# Allegro board 1140022-KU060_PCIE_FIBER_BOARD_V001_pcb166_20240120_1835_pcb.brd (continued)
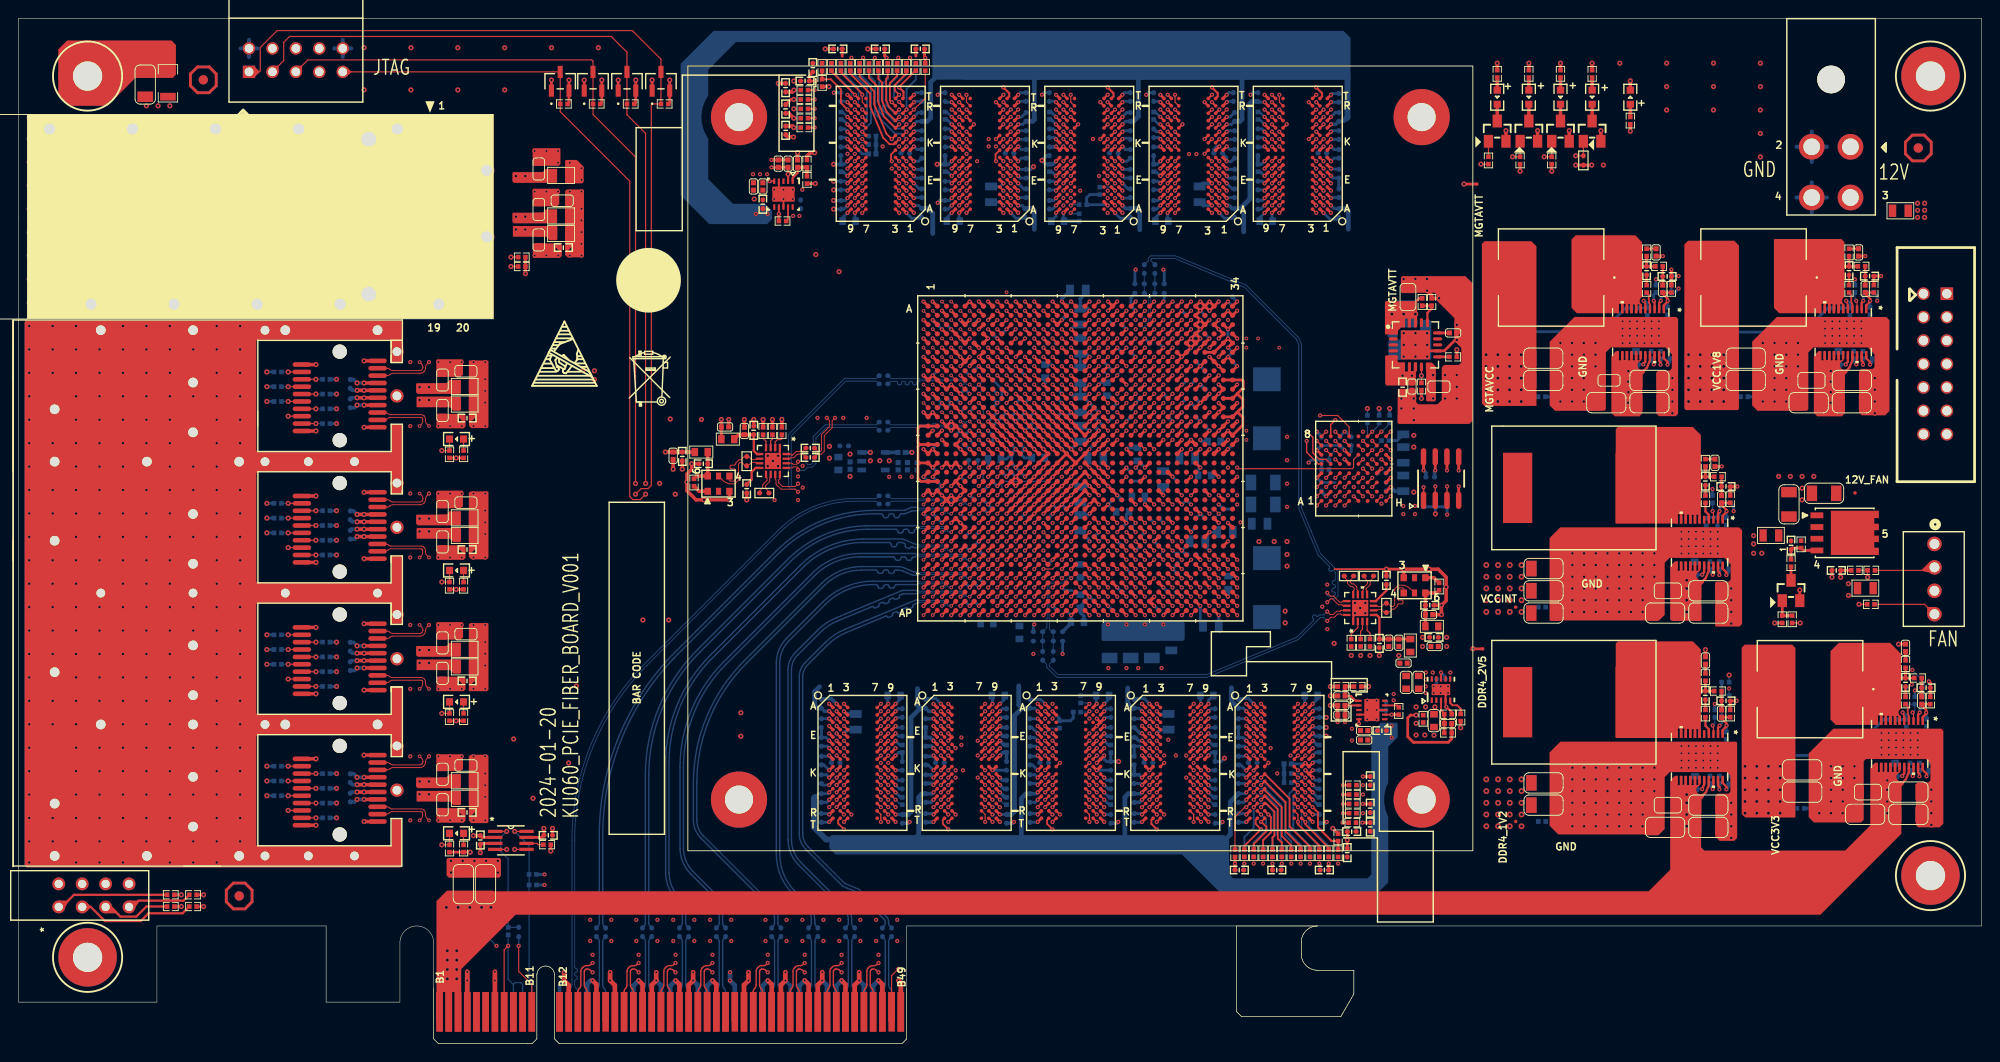
[diagram p0: board, top side]
## Routing (per net, layer and track width the routed paths; a pad name or vN(x,y) marks a point on that pad's centre or on a via; arc(x,y) is an arc through that point) (continued)
  ART10 w0.155: 140.53,27.64 141.67,27.64 142.31,27 v1(143.58,27)
CHA_FPGA_DDR4_C1_CK_N: length 113.8
  TOP w0.145: U5.K8 v1(128.2,28.83) ; v1(105.59,28.83) U4.K8 ; U7.K8 v1(139.5,28.83) ; U1.AL17 v1(115.11,49.45) ; U6.K8 v1(116.89,28.83) ; U3.K8 v1(94.29,28.83)
  ART05 w0.14: v1(115.11,49.45) 115.44,49.12 115.44,48.92 114.53,48 114.53,42.81 110.73,39 92.69,39 92.35,38.67 92.35,37.73 92.71,37.37 92.71,36.81 92.57,36.67 91.59,36.67 91.26,36.34 91.26,35.51 91.59,35.18 92.57,35.18 92.71,35.04 92.71,34.48 92.57,34.34 91.57,34.34 91.24,34.01 91.24,33.18 91.57,32.85 92.57,32.85 92.71,32.71 92.71,32.15 92.57,32.01 91.57,32.01 91.24,31.68 91.24,30.85 91.57,30.52 92.57,30.52 92.71,30.38 92.71,29.82 92.57,29.68 91.57,29.68 91.24,29.35 91.24,28.55 91.64,28.15 92.86,28.15 93.14,28.43 93.65,28.43 94.05,28.83 v1(94.29,28.83)
  ART12 w0.104: v1(139.5,28.83) 139.09,29.24 138.53,29.24 137.79,29.97 137.38,29.97 137.28,30.08 137.28,30.31 137,30.58 136.26,30.58 135.98,30.31 135.98,30.08 135.88,29.97 135.03,29.97 134.21,30.79 131.94,30.79 131.6,30.65 129.96,29.01 129.57,29.01 129.34,29.24 128.6,29.24 v1(128.2,28.83) 127.79,29.24 127.23,29.24 126.52,29.95 126.28,29.95 126.18,30.05 126.18,30.46 125.9,30.73 125.16,30.73 124.88,30.46 124.88,30.05 124.78,29.95 123.65,29.95 123.24,30.36 120.24,30.36 119.79,30.17 118.62,29.01 118.26,29.01 118.03,29.24 117.3,29.24 v1(116.89,28.83) 116.49,29.24 115.93,29.24 115.19,29.97 114.78,29.97 114.67,30.08 114.67,30.31 114.4,30.58 113.65,30.58 113.38,30.31 113.38,30.08 113.27,29.97 112.42,29.97 111.6,30.79 109.34,30.79 108.99,30.65 107.35,29.01 106.96,29.01 106.73,29.24 105.99,29.24 v1(105.59,28.83) 105.19,29.24 104.62,29.24 103.05,30.81 102.68,30.81 102.57,30.91 102.57,31.12 102.27,31.42 101.58,31.42 101.28,31.12 101.28,30.91 101.17,30.81 98.02,30.81 97.68,30.67 96.02,29.01 95.66,29.01 95.43,29.24 94.69,29.24 v1(94.29,28.83)
  BOTTOM w0.102: v1(139.5,28.83) 139.09,28.42 138.12,28.42 R114.1
CHA_FPGA_DDR4_C1_CK_P: length 115
  TOP w0.145: U6.K7 v1(116.09,28.83) ; v1(104.79,28.83) U4.K7 ; U3.K7 v1(93.49,28.83) ; U1.AL18 v1(116.11,49.45) ; U5.K7 v1(127.39,28.83) ; U7.K7 v1(138.7,28.83)
  ART05 w0.14: v1(93.49,28.83) 93.41,28.76 93.01,28.76 92.72,28.47 91.78,28.47 91.57,28.68 91.57,29.21 91.71,29.35 92.71,29.35 93.04,29.68 93.04,30.51 92.71,30.84 91.71,30.84 91.57,30.98 91.57,31.54 91.71,31.68 92.71,31.68 93.04,32.01 93.04,32.84 92.71,33.18 91.71,33.18 91.57,33.31 91.57,33.87 91.71,34.01 92.71,34.01 93.04,34.34 93.04,35.18 92.71,35.51 91.73,35.51 91.59,35.65 91.59,36.21 91.73,36.35 92.71,36.35 93.04,36.68 93.04,37.51 92.68,37.87 92.68,38.54 92.82,38.68 93.59,38.68 93.73,38.54 93.73,37.91 93.87,37.77 94.15,37.77 94.29,37.91 94.29,38.54 94.43,38.68 110.86,38.68 114.86,42.67 114.86,46.73 115,46.87 115.43,46.87 115.57,47.01 115.57,47.28 115.43,47.42 115,47.42 114.86,47.56 114.86,47.87 115.77,48.78 115.77,49.12 v1(116.11,49.45)
  ART12 w0.104: v1(138.7,28.83) 138.63,28.9 138.39,28.9 137.66,29.64 137.25,29.64 136.94,29.94 136.94,30.17 136.87,30.25 136.4,30.25 136.32,30.17 136.32,29.94 136.02,29.64 134.89,29.64 134.07,30.45 132.01,30.45 131.79,30.36 130.1,28.67 129.59,28.67 129.36,28.43 127.58,28.43 127.39,28.61 v1(127.39,28.83) 127.33,28.9 127.09,28.9 126.38,29.61 126.14,29.61 125.84,29.91 125.84,30.32 125.76,30.4 125.3,30.4 125.22,30.32 125.22,29.91 124.92,29.61 123.51,29.61 123.1,30.02 120.3,30.02 119.98,29.89 118.76,28.67 118.29,28.67 118.05,28.43 116.27,28.43 116.09,28.61 v1(116.09,28.83) 116.02,28.9 115.79,28.9 115.05,29.64 114.64,29.64 114.34,29.94 114.34,30.17 114.26,30.25 113.79,30.25 113.71,30.17 113.71,29.94 113.41,29.64 112.28,29.64 111.46,30.45 109.4,30.45 109.18,30.36 107.49,28.67 106.99,28.67 106.75,28.43 104.97,28.43 104.79,28.61 v1(104.79,28.83) 104.72,28.9 104.48,28.9 102.91,30.47 102.54,30.47 102.24,30.78 102.24,30.98 102.13,31.08 101.72,31.08 101.61,30.98 101.61,30.78 101.31,30.47 98.09,30.47 97.87,30.38 96.16,28.67 95.69,28.67 95.45,28.43 93.67,28.43 93.49,28.61 v1(93.49,28.83)
  BOTTOM w0.102: R113.1 138.04,29.24 138.96,29.24 139.06,29.13 139.06,28.93 138.96,28.83 v1(138.7,28.83)
CHA_FPGA_DDR4_C1_CKE: length 121.1
  TOP w0.201: U5.K2 v1(122.6,28.83) ; U7.K2 v1(133.9,28.83) ; U3.K2 v1(88.69,28.83) ; U6.K2 v1(111.29,28.83) ; U4.K2 v1(99.99,28.83)
  TOP w0.229: U1.AM14 v1(111.11,48.45)
  ART03 w0.137: v1(88.69,28.83) 88.29,29.23 87.57,29.23
  ART03 w0.155: 87.57,29.23 87.1,29.23 84.82,31.51 84.82,39.56 90.98,45.72 91.89,45.72 92.05,45.87 92.05,46.86 92.2,47.02 92.51,47.02 92.67,46.86 92.67,45.87 92.82,45.72 93.15,45.72 93.3,45.87 93.3,48.16 93.48,48.34 93.77,48.34 93.92,48.18 93.92,45.87 94.08,45.72 94.39,45.72 94.54,45.87 94.54,47.52 94.7,47.68 95.01,47.68 95.16,47.52 95.16,47.14 95.32,46.99 110.54,46.99 110.64,47.09 110.64,47.99 v1(111.11,48.45)
  ART10 w0.086: v1(133.9,28.83) 133.51,29.22 132.94,29.22 132.78,29.38 132.63,29.38 132.37,29.11 132.23,29.11 132.1,29.24 132.1,29.41 132.35,29.66 132.35,29.81 132.13,30.02 131.8,30.02 131.63,29.84 131.37,29.84 130.86,30.35 128.37,30.35 127.81,29.79 127.81,29.39 127.66,29.24 123,29.24 v1(122.6,28.83) 122.19,29.24 121.62,29.24 121.47,29.38 121.33,29.38 121.07,29.11 120.92,29.11 120.79,29.24 120.79,29.41 121.04,29.66 121.04,29.81 120.83,30.02 120.5,30.02 120.4,29.92 120.4,29.79 120.3,29.69 120.1,29.69 119.99,29.79 119.99,29.92 119.89,30.02 116.74,30.02 116.51,29.79 116.51,29.39 116.36,29.24 111.7,29.24 v1(111.29,28.83) 110.89,29.24 110.31,29.24 110.17,29.38 110.03,29.38 109.7,29.05 109.56,29.05 109.43,29.18 109.43,29.35 109.74,29.66 109.74,29.78 109.65,29.87 109.17,29.87 109,29.69 108.79,29.69 108.69,29.79 108.69,29.92 108.59,30.02 105.44,30.02 105.21,29.79 105.21,29.39 105.05,29.24 100.39,29.24 v1(99.99,28.83) 99.59,29.24 98.91,29.24 98.76,29.38 98.61,29.38 98.49,29.26 98.35,29.26 98.2,29.41 98.2,29.55 98.33,29.67 98.33,29.82 98.18,29.96 98.04,29.96 97.97,29.89 97.82,29.89 97.68,30.03 97.68,30.17 97.75,30.25 97.75,30.39 97.54,30.61 95.02,30.61 94.53,30.12 94.3,30.02 94.08,30.02 93.9,29.84 93.9,29.49 93.65,29.24 89.09,29.24 v1(88.69,28.83)
  BOTTOM w0.127: 135.25,28.14 134.97,28.43 134.31,28.43 v1(133.9,28.83)
  BOTTOM w0.201: 135.25,28.14 137.3,26.09 137.3,22.59 137.97,21.92 R108.1
CHA_FPGA_DDR4_C1_CS: length 123.3
  TOP w0.201: U4.L7 v1(104.79,28.03) ; U7.L7 v1(138.7,28.03) ; U3.L7 v1(93.49,28.03) ; U6.L7 v1(116.09,28.03) ; U5.L7 v1(127.4,28.03)
  TOP w0.229: U1.AJ18 v1(116.11,51.45)
  ART03 w0.155: v1(93.49,28.03) 91.39,30.12 90.73,30.12 90.04,30.81 87.55,30.81 86.37,31.99 86.37,38.64 91.88,44.15 102.14,44.15 102.29,44.3 102.29,44.68 102.45,44.83 102.76,44.83 102.91,44.68 102.91,44.33 103.07,44.17 103.35,44.17 103.53,44.35 103.53,44.73 103.69,44.88 104,44.88 104.15,44.73 104.15,44.33 104.31,44.17 108.15,44.17 108.33,44.35 108.33,44.63 108.48,44.78 108.79,44.78 108.95,44.63 108.95,44.33 109.1,44.17 111.08,44.17 111.24,44.33 111.24,44.55 111.39,44.7 111.7,44.7 111.86,44.55 111.86,44.33 112.01,44.17 112.62,44.17 114.63,46.18 114.63,50.37 115.71,51.45 v1(116.11,51.45)
  ART10 w0.086: v1(93.49,28.03) 93.9,28.45 93.9,29.01 94.13,29.24 94.44,29.24 94.69,29.49 94.69,29.82 94.97,30.1 96.52,30.1 98.17,28.45 102.06,28.45 102.16,28.55 102.16,28.65 102.26,28.75 102.46,28.75 102.56,28.65 102.56,28.55 102.67,28.45 103.07,28.45 103.23,28.29 103.85,28.03 v1(104.79,28.03) 105.21,28.45 105.21,29.01 105.44,29.24 105.74,29.24 106.12,29.62 108.31,29.62 109.47,28.45 112.55,28.45 112.65,28.55 112.65,28.73 112.75,28.83 112.95,28.83 113.05,28.73 113.05,28.55 113.16,28.45 113.36,28.45 113.46,28.55 113.46,28.68 113.56,28.78 113.77,28.78 113.87,28.68 113.87,28.55 113.97,28.45 114.38,28.45 114.62,28.2 115.03,28.03 v1(116.09,28.03) 116.51,28.45 116.51,29.01 116.74,29.24 117.04,29.24 117.42,29.62 119.61,29.62 120.78,28.45 123.85,28.45 123.95,28.55 123.95,28.73 124.05,28.83 124.26,28.83 124.36,28.73 124.36,28.55 124.46,28.45 124.66,28.45 124.76,28.55 124.76,28.68 124.87,28.78 125.07,28.78 125.17,28.68 125.17,28.55 125.27,28.45 125.68,28.45 125.93,28.2 126.33,28.03 v1(127.4,28.03) 127.81,28.45 127.81,29.01 128.04,29.24 128.35,29.24 128.6,29.49 128.6,29.84 128.8,30.05 130.48,30.05 132.08,28.45 135.97,28.45 136.07,28.55 136.07,28.65 136.17,28.75 136.37,28.75 136.47,28.65 136.47,28.55 136.58,28.45 136.98,28.45 137.23,28.2 137.64,28.03 v1(138.7,28.03)
  BOTTOM w0.201: R102.1 138.98,21.57 137.76,22.79 137.76,27.09 v1(138.7,28.03)
CHA_FPGA_DDR4_C1_D0: length 52.8
  TOP w0.201: U3.G2 v1(88.69,32.03) ; U1.AF20 v1(118.11,54.45)
  ART12 w0.137: v1(88.69,32.03) 88.42,32.03 88.29,32.17 88.29,37.03 90.28,39.03 90.28,39.61 90.53,39.86 90.76,39.86 90.96,39.65 91.19,39.65 91.35,39.81 91.35,40.04 91.14,40.24 91.14,40.47 91.31,40.63 91.53,40.63 91.74,40.43 91.96,40.43 92.13,40.59 92.13,40.82 91.92,41.02 91.92,41.25 92.08,41.41 92.31,41.41 92.51,41.2 92.74,41.2 92.9,41.37 92.9,41.59 92.7,41.8 92.7,42.02 92.86,42.19 93.08,42.19 93.29,41.98 93.52,41.98 93.68,42.14 93.68,42.37 93.47,42.57 93.47,42.8 93.63,42.96 93.86,42.96 94.07,42.76 94.29,42.76 94.45,42.92 94.45,43.14 94.25,43.35 94.25,43.58 94.31,43.64 99.64,43.64 101.96,45.95 103.31,45.95 103.63,46.28 103.63,46.74 103.91,47.02 104.44,47.02 105.44,48.01 108.36,48.01 108.58,48.23 108.58,50.65 108.86,50.93 109.31,50.93 109.64,51.26 109.64,52.77 109.86,52.98 110.29,52.98 110.59,53.29 110.59,53.67 110.92,54 112.34,54 112.6,54.25 112.6,54.79 112.8,54.99 114.8,54.99 114.96,54.83 114.96,54.54 115.12,54.38 115.35,54.38 115.51,54.54 115.51,54.83 115.67,54.99 117.97,54.99 118.11,54.85 v1(118.11,54.45)
CHA_FPGA_DDR4_C1_D1: length 53.1
  TOP w0.201: U1.AG22 v1(120.11,53.45) ; U3.F7 v1(93.49,32.83)
  ART12 w0.137: v1(93.49,32.83) 93.74,32.83 93.89,32.98 93.89,38.29 94.08,38.48 94.27,38.48 94.49,38.27 94.49,37.5 94.63,37.36 94.97,37.36 95.11,37.5 95.11,39.87 95.27,40.03 95.5,40.03 95.66,39.87 95.66,37.14 95.82,36.98 96.08,36.98 96.29,37.2 96.29,39.97 96.65,40.32 100.39,40.32 101.39,40.74 103.89,43.24 107.02,44.53 110.4,44.53 111.32,44.72 111.71,44.88 112.34,45.3 112.38,45.52 112.24,45.73 112.28,45.96 112.47,46.08 112.69,46.04 112.84,45.83 113.06,45.78 113.54,46.1 113.67,46.23 113.67,49.04 113.83,49.2 113.96,49.2 114.12,49.37 114.12,49.59 113.96,49.75 113.83,49.75 113.67,49.91 113.67,50.7 113.84,50.88 114.67,50.88 114.83,51.04 114.83,51.35 114.99,51.51 115.22,51.51 115.38,51.35 115.38,51.04 115.54,50.88 117.32,50.88 117.6,51.16 117.6,51.74 117.91,52.04 119.48,52.04 119.61,52.17 119.61,52.68 120.11,53.18 v1(120.11,53.45)
CHA_FPGA_DDR4_C1_D2: length 54.7
  TOP w0.201: U1.AE20 v1(118.11,55.45) ; U3.H3 v1(89.49,31.23)
  ART12 w0.137: v1(89.49,31.23) 89.27,31.23 88.87,31.63 87.51,31.63 87.38,31.77 87.38,37.34 87.53,37.49 87.75,37.49 87.84,37.4 88.07,37.4 88.23,37.56 88.23,37.79 88.14,37.88 88.14,38.1 88.3,38.26 88.53,38.26 88.62,38.17 88.85,38.17 89.01,38.33 89.01,38.56 88.92,38.65 88.92,38.88 89.08,39.04 89.31,39.04 89.4,38.95 89.62,38.95 89.78,39.11 89.78,39.34 89.69,39.43 89.69,39.65 94.11,44.07 99.39,44.07 101.6,46.28 101.6,46.73 101.86,46.99 103.3,46.99 103.61,47.29 103.61,47.68 103.94,48.01 104.34,48.01 104.6,48.26 104.6,48.69 104.8,48.9 107.42,48.9 107.62,49.1 107.62,50.62 107.39,50.85 107.39,51.25 107.53,51.38 108.03,51.38 108.22,51.19 108.45,51.19 108.58,51.32 108.58,52.65 108.89,52.96 109.25,52.96 109.6,53.31 109.6,53.73 109.8,53.94 110.3,53.94 110.64,54.28 110.64,54.71 110.85,54.91 112.24,54.91 112.6,55.27 112.6,55.68 112.8,55.88 114.48,55.88 114.62,56.02 114.62,56.38 114.78,56.54 115.01,56.54 115.17,56.38 115.17,55.7 115.27,55.6 115.59,55.6 115.87,55.88 117.37,55.88 117.8,55.45 v1(118.11,55.45)
CHA_FPGA_DDR4_C1_D3: length 54
  TOP w0.201: U3.H7 v1(93.49,31.23) ; U1.AF22 v1(120.11,54.45)
  ART12 w0.137: v1(120.11,54.45) 120.17,54.45 120.65,53.98 120.65,51.38 120.19,50.93 117.93,50.93 117.58,50.57 117.58,50.24 117.35,50.01 114.91,50.01 114.55,49.66 114.55,46.18 114.32,45.95 113.67,45.67 111.92,44.51 111.4,44.29 110.53,44.12 107.21,44.12 104.17,42.86 101.69,40.37 100.4,39.84 97.29,39.84 96.74,39.28 96.74,36.64 96.58,36.48 95.77,36.48 95.61,36.32 95.61,36.1 95.77,35.93 96.58,35.93 96.74,35.77 96.74,35.55 96.58,35.39 95.77,35.39 95.61,35.22 95.61,35 95.77,34.84 96.58,34.84 96.74,34.68 96.74,34.45 96.58,34.29 95.74,34.29 95.58,34.13 95.58,33.9 95.74,33.74 96.58,33.74 96.74,33.58 96.74,33.35 96.58,33.19 95.74,33.19 95.58,33.03 95.58,32.8 95.74,32.64 96.58,32.64 96.74,32.48 96.74,31.89 96.48,31.63 96.31,31.63 96.11,31.83 95.57,31.83 95.38,31.63 93.62,31.63 93.49,31.49 v1(93.49,31.23)
CHA_FPGA_DDR4_C1_D4: length 54.9
  TOP w0.201: U1.AE22 v1(119.11,55.45) ; U3.H2 v1(88.69,31.23)
  ART12 w0.137: v1(88.69,31.23) 88.69,31.13 88.38,30.82 87.49,30.82 86.94,31.37 86.94,37.54 93.93,44.53 98.58,44.53 99.13,45.08 99.36,45.08 99.44,45 99.66,45 99.82,45.16 99.82,45.39 99.75,45.47 99.75,45.69 99.96,45.91 100.24,45.91 100.58,46.25 100.58,46.63 100.91,46.96 101.44,46.96 101.57,47.1 101.57,47.57 101.88,47.88 103.28,47.88 103.58,48.18 103.58,48.67 103.84,48.92 104.32,48.92 104.57,49.17 104.57,49.66 104.83,49.91 105.41,49.91 105.61,50.11 105.61,50.67 105.87,50.93 106.62,50.93 106.76,51.06 106.76,51.46 107.64,52.34 107.64,52.62 108.05,53.04 108.43,53.04 108.64,53.24 108.64,53.72 108.84,53.92 109.19,53.92 109.6,54.33 109.6,54.64 109.93,54.97 110.31,54.97 110.57,55.22 110.57,55.63 110.87,55.93 112.27,55.93 112.65,56.31 112.65,56.69 112.93,56.97 114.64,56.97 114.8,57.13 114.8,57.34 114.96,57.51 115.19,57.51 115.35,57.34 115.35,57.13 115.51,56.97 117.32,56.97 117.58,56.72 117.58,56.13 117.78,55.93 118.92,55.93 119.11,55.74 v1(119.11,55.45)
CHA_FPGA_DDR4_C1_D5: length 54.6
  TOP w0.201: U1.AE23 v1(121.11,55.45) ; U3.H8 v1(94.29,31.23)
  ART12 w0.137: v1(94.29,31.23) 93.89,30.83 93.89,30.25 94.11,30.03 94.74,30.03 94.97,30.26 94.97,30.55 95.13,30.71 95.35,30.71 95.51,30.55 95.51,30.39 95.67,30.23 95.83,30.23 96.09,30.48 96.09,30.71 96,30.8 96,31.02 96.16,31.18 96.39,31.18 96.48,31.09 96.7,31.09 97.24,31.63 98.28,31.63 98.45,31.8 98.45,32.07 98.29,32.23 97.44,32.23 97.31,32.37 97.31,32.64 97.44,32.78 98.29,32.78 98.45,32.94 98.45,33.22 98.35,33.32 97.47,33.32 97.33,33.46 97.33,39.07 97.69,39.42 100.53,39.42 101.96,40.01 104.43,42.48 107.38,43.7 110.58,43.7 111.56,43.9 112.33,44.22 114.04,45.36 114.43,45.52 114.81,45.9 114.91,46.14 114.91,48.69 115.19,48.97 117.37,48.97 117.58,49.17 117.58,49.71 117.81,49.94 121.26,49.94 121.59,50.27 121.59,54.97 v1(121.11,55.45)
CHA_FPGA_DDR4_C1_D6: length 55
  TOP w0.201: U1.AD20 v1(118.11,56.45) ; U3.J3 v1(89.49,29.63)
  ART12 w0.137: v1(118.11,56.45) 118.11,56.77 117.45,57.42 116.28,57.91 112.78,57.91 112.57,57.71 112.57,57.28 112.24,56.95 110.92,56.95 110.62,56.64 110.62,56.26 110.31,55.96 109.96,55.96 109.6,55.6 109.6,55.3 109.25,54.94 108.94,54.94 108.61,54.61 108.61,54.23 108.33,53.95 107.98,53.95 107.65,53.62 107.65,53.24 107.37,52.96 106.96,52.96 106.6,52.6 106.6,52.25 106.32,51.97 105.97,51.97 105.61,51.61 105.61,51.26 105.31,50.95 104.95,50.95 104.6,50.6 104.6,50.24 104.27,49.91 103.94,49.91 103.63,49.61 103.63,49.35 103.3,49.02 102.01,49.02 101.6,48.62 101.6,48.29 101.27,47.96 99.9,47.96 99.62,47.68 99.62,46.18 98.55,45.1 98.19,44.96 93.73,44.96 86.46,37.69 86.46,31.17 87.33,30.3 88.53,30.3 89.02,30.1 v1(89.49,29.63)
CHA_FPGA_DDR4_C1_D7: length 52.6
  TOP w0.201: U1.AG20 v1(117.11,53.45) ; U3.J7 v1(93.49,29.63)
  ART12 w0.137: v1(93.49,29.63) 92.67,29.63 92.51,29.79 92.51,30.47 92.35,30.63 92.12,30.63 91.96,30.47 91.96,29.79 91.8,29.63 90.71,29.63 90.58,29.77 90.58,31.22 90.16,31.63 89.3,31.63 89.09,31.84 89.09,37.12 89.4,37.43 89.65,37.43 95.38,43.15 100,43.15 101.55,44.71 104.07,45.75 104.53,46.22 104.53,46.49 105.05,47.02 109.37,47.02 109.63,47.27 109.63,50.7 109.88,50.95 110.34,50.95 110.59,51.21 110.59,52.68 110.9,52.98 111.56,52.98 112.17,53.59 112.57,53.59 112.93,53.95 116.97,53.95 117.11,53.81 v1(117.11,53.45)
CHA_FPGA_DDR4_C1_D8: length 57.2
  TOP w0.201: U1.AG24 v1(121.11,54.45) ; U3.A3 v1(89.49,36.83)
  ART03 w0.137: v1(121.11,54.45) 120.63,53.98 117.68,53.98 117.55,53.85 117.55,53.06 117.69,52.92 118.1,52.92 118.24,52.78 118.24,52.51 118.1,52.37 117.69,52.37 117.55,52.23 117.55,45.8 113.48,41.73 112.36,41.73 112.22,41.87 112.22,42.31 112.08,42.44 111.81,42.44 111.67,42.31 111.67,41.87 111.53,41.73 111.26,41.73 111.12,41.87 111.12,42.31 110.99,42.44 110.71,42.44 110.57,42.31 110.57,41.87 110.44,41.73 109.66,41.73 109.5,41.89 109.5,42.26 109.36,42.39 100.85,42.39 100.71,42.26 100.71,41.87 100.57,41.73 100.3,41.73 100.16,41.87 100.16,42.26 100.03,42.39 99.75,42.39 99.61,42.26 99.61,41.87 99.48,41.73 99.2,41.73 99.07,41.87 99.07,42.26 98.93,42.39 98.65,42.39 98.52,42.26 98.52,41.87 98.38,41.73 98.11,41.73 97.97,41.87 97.97,42.26 97.83,42.39 97.56,42.39 97.42,42.26 97.42,41.87 97.28,41.73 97.01,41.73 96.87,41.87 96.87,42.26 96.73,42.39 96.46,42.39 96.32,42.26 96.32,41.87 96.19,41.73 95.91,41.73 95.77,41.87 95.77,42.26 95.64,42.39 95.36,42.39 95.23,42.26 95.23,41.87 95.09,41.73 94.81,41.73 94.68,41.87 94.68,42.26 94.54,42.39 94.27,42.39 94.13,42.26 94.13,41.87 93.99,41.73 93.72,41.73 93.58,41.87 93.58,42.26 93.44,42.39 93.17,42.39 93.03,42.26 93.03,41.87 92.89,41.73 92.66,41.73 89.49,38.56 v1(89.49,36.83)
CHA_FPGA_DDR4_C1_D9: length 55.5
  TOP w0.201: U3.B8 v1(94.29,36.03) ; U1.AJ24 v1(122.11,51.45)
  ART03 w0.137: v1(94.29,36.03) 94.45,36.03 94.69,36.27 94.69,37.4 94.93,37.64 107.26,37.64 107.4,37.51 107.4,36.71 107.54,36.58 107.81,36.58 107.95,36.71 107.95,37.51 108.08,37.64 112.91,37.64 113.05,37.51 113.05,36.71 113.19,36.58 113.46,36.58 113.6,36.71 113.6,37.51 113.74,37.64 114.01,37.64 114.15,37.51 114.15,36.71 114.29,36.58 114.56,36.58 114.7,36.71 114.7,37.51 114.83,37.64 114.9,37.64 115.04,37.78 115.04,38.47 115.18,38.61 115.45,38.61 115.59,38.47 115.59,37.78 115.72,37.64 116,37.64 116.14,37.78 116.14,38.47 116.27,38.61 116.55,38.61 116.68,38.47 116.68,37.78 116.82,37.64 117.1,37.64 117.23,37.78 117.23,38.47 117.37,38.61 117.64,38.61 117.78,38.47 117.78,37.78 117.92,37.64 118.25,37.64 118.39,37.78 118.39,37.96 118.53,38.1 118.54,38.1 118.65,38.21 118.65,38.4 118.49,38.56 118.49,38.76 118.68,38.95 118.88,38.95 119.04,38.79 119.23,38.79 119.43,38.99 119.43,39.18 119.27,39.34 119.27,39.53 119.46,39.73 119.65,39.73 119.81,39.57 120.01,39.57 120.75,40.31 120.75,40.84 122.63,42.72 122.63,42.98 122.49,43.12 122.23,43.12 122.1,43.26 122.1,43.53 122.23,43.67 122.49,43.67 122.63,43.81 122.63,44.08 122.49,44.22 122.23,44.22 122.1,44.35 122.1,44.63 122.23,44.77 122.49,44.77 122.63,44.9 122.63,50.93 v1(122.11,51.45)
CHA_FPGA_DDR4_C1_D10: length 56.4
  TOP w0.201: U3.C3 v1(89.49,35.23) ; U1.AH22 v1(120.11,52.45)
  ART03 w0.137: v1(89.49,35.23) 90.49,35.23 90.76,35.51 91.94,35.51 92.08,35.64 92.08,35.92 91.94,36.05 90.76,36.05 90.63,36.19 90.63,36.47 90.76,36.6 91.39,36.6 91.49,36.85 91.44,37.03 91.28,37.15 90.76,37.15 90.63,37.29 90.63,37.66 90.76,37.8 91.48,37.8 91.62,37.93 91.62,38.25 91.48,38.38 91.09,38.38 90.96,38.52 90.96,38.79 91.09,38.93 91.63,38.93 91.77,39.07 91.77,39.6 92.96,40.79 108.02,40.79 108.16,40.93 108.16,41.39 108.3,41.53 108.57,41.53 108.71,41.39 108.71,40.93 108.85,40.79 115.6,40.79 116.43,41.63 116.43,41.83 116.31,41.95 116.31,42.14 116.5,42.34 116.7,42.34 116.82,42.21 117.02,42.21 117.21,42.41 117.21,42.6 116.54,43.27 116.54,43.46 116.73,43.66 116.93,43.66 117.6,42.99 117.79,42.99 117.99,43.18 117.99,43.38 117.32,44.05 117.32,44.24 117.51,44.44 117.71,44.44 118.37,43.77 118.57,43.77 119.24,44.44 119.24,45.73 119.63,46.13 119.63,51.98 v1(120.11,52.45)
CHA_FPGA_DDR4_C1_D11: length 55.5
  TOP w0.201: U1.AJ23 v1(121.11,51.45) ; U3.C7 v1(93.49,35.23)
  ART03 w0.137: v1(121.11,51.45) 121.59,50.97 121.59,43.92 121.45,43.78 121.12,43.78 120.98,43.65 120.98,43.37 121.12,43.24 121.45,43.24 121.59,43.1 121.59,42.67 121.21,42.29 121.02,42.29 120.53,42.79 120.33,42.79 120.14,42.59 120.14,42.4 120.63,41.9 120.63,41.71 120.44,41.52 120.24,41.52 119.85,41.91 119.66,41.91 119.46,41.71 119.46,41.52 119.73,41.26 119.73,41.06 119.53,40.87 119.34,40.87 119.07,41.13 118.88,41.13 118.69,40.94 118.69,40.74 119.08,40.35 119.08,40.16 118.29,39.37 117.83,39.37 117.69,39.51 117.69,39.92 117.55,40.06 117.28,40.06 117.14,39.92 117.14,39.51 116.65,39.01 114.85,39.01 114.69,38.85 114.69,38.41 114.55,38.28 114.28,38.28 114.14,38.41 114.14,38.85 114.01,38.99 113.73,38.99 113.59,38.85 113.59,38.08 113.46,37.95 113.18,37.95 113.05,38.08 113.05,38.85 112.91,38.99 112.63,38.99 112.5,38.85 112.5,38.08 112.36,37.95 112.09,37.95 111.95,38.08 111.95,38.85 111.81,38.99 111.54,38.99 111.4,38.85 111.4,38.08 111.26,37.95 110.99,37.95 110.85,38.08 110.85,38.85 110.71,38.99 110.44,38.99 110.3,38.85 110.3,38.08 110.17,37.95 94.08,37.95 93.89,37.75 93.89,35.47 93.65,35.23 v1(93.49,35.23)
CHA_FPGA_DDR4_C1_D12: length 56.9
  TOP w0.201: U1.AH23 v1(121.11,52.45) ; U3.C2 v1(88.69,35.23)
  ART03 w0.137: v1(88.69,35.23) 88.7,35.23 89.1,35.63 90.11,35.63 90.25,35.77 90.25,38.68 92.81,41.25 101.01,41.25 101.14,41.39 101.14,41.82 101.28,41.96 101.55,41.96 101.69,41.82 101.69,41.39 101.83,41.25 102.1,41.25 102.24,41.39 102.24,41.82 102.38,41.96 102.65,41.96 102.79,41.82 102.79,41.39 102.93,41.25 103.2,41.25 103.34,41.39 103.34,41.82 103.48,41.96 103.75,41.96 103.89,41.82 103.89,41.39 104.02,41.25 104.3,41.25 104.44,41.39 104.44,41.82 104.57,41.96 104.85,41.96 104.98,41.82 104.98,41.39 105.12,41.25 105.4,41.25 105.53,41.39 105.53,41.82 105.67,41.96 105.94,41.96 106.08,41.82 106.08,41.39 106.22,41.25 106.49,41.25 106.63,41.39 106.63,41.82 106.77,41.96 107.04,41.96 107.18,41.82 107.18,41.62 107.32,41.48 107.59,41.48 107.73,41.62 107.73,41.82 107.86,41.96 108.79,41.96 109.5,41.25 113.67,41.25 114.1,41.68 114.29,41.68 114.76,41.21 114.95,41.21 115.15,41.41 115.15,41.6 114.68,42.07 114.68,42.26 114.92,42.51 115.12,42.51 115.49,42.14 115.68,42.14 115.88,42.33 115.88,42.53 115.51,42.9 115.51,43.09 117.48,45.06 117.7,45.06 117.99,44.77 118.31,44.77 118.62,45.07 118.62,51.66 119.91,52.96 120.6,52.96 v1(121.11,52.45)
CHA_FPGA_DDR4_C1_D13: length 55.6
  TOP w0.201: U3.C8 v1(94.29,35.23) ; U1.AG25 v1(123.11,53.45)
  ART03 w0.137: v1(94.29,35.23) 94.41,35.23 94.81,35.63 95.39,35.63 95.53,35.77 95.53,37.1 95.67,37.24 101.15,37.24 101.29,37.1 101.29,36.43 101.45,36.27 101.7,36.27 101.83,36.41 101.83,37.1 101.97,37.24 102.25,37.24 102.38,37.1 102.38,36.43 102.54,36.27 102.79,36.27 102.93,36.41 102.93,37.1 103.07,37.24 103.34,37.24 103.48,37.1 103.48,36.43 103.64,36.27 103.89,36.27 104.03,36.41 104.03,37.1 104.17,37.24 106.79,37.24 106.93,37.1 106.93,36.33 107.06,36.2 108.43,36.2 108.57,36.33 108.57,36.95 108.73,37.11 108.96,37.11 109.12,36.95 109.12,36.38 109.26,36.25 109.53,36.25 109.67,36.38 109.67,37.1 109.81,37.24 112.54,37.24 112.67,37.1 112.67,36.31 112.81,36.17 115.28,36.17 115.42,36.31 115.42,37.1 115.55,37.24 118.9,37.24 122.06,40.39 122.06,41.11 123.57,42.62 123.57,52.7 123.11,53.17 v1(123.11,53.45)
CHA_FPGA_DDR4_C1_D14: length 58.7
  TOP w0.201: U1.AF23 v1(120.11,55.45) ; U3.D3 v1(89.49,34.43)
  ART03 w0.137: v1(89.49,34.43) 90.93,34.43 91.07,34.57 91.07,34.76 91.21,34.9 91.48,34.9 91.62,34.76 91.62,34.57 91.75,34.43 92.72,34.43 93.12,34.03 96.09,34.03 98.02,34.83 117.91,34.83 120.72,37.64 120.72,37.84 123.32,40.44 123.32,40.82 125.6,43.1 125.6,52.7 125.35,52.96 125.01,52.96 124.69,53.28 124.69,53.61 124.33,53.98 124,53.98 123.57,54.4 123.57,54.74 123.32,54.99 120.57,54.99 v1(120.11,55.45)
CHA_FPGA_DDR4_C1_D15: length 59.2
  TOP w0.201: U3.D7 v1(93.49,34.43) ; U1.AF24 v1(122.11,54.45)
  ART03 w0.137: v1(122.11,54.45) 122.58,53.98 123.39,53.98 123.69,53.67 123.69,53.28 123.7,53.28 123.7,53.21 123.95,52.96 124.33,52.96 124.69,52.6 124.69,46.28 124.71,46.26 124.71,42.9 122.67,40.86 122.67,40.4 117.9,35.63 104.45,35.63 104.31,35.49 104.31,35.39 104.17,35.26 103.9,35.26 103.76,35.39 103.76,35.49 103.63,35.63 103.35,35.63 103.21,35.49 103.21,35.39 103.08,35.26 102.8,35.26 102.67,35.39 102.67,35.49 102.53,35.63 102.25,35.63 102.12,35.49 102.12,35.39 101.98,35.26 101.71,35.26 101.57,35.39 101.57,35.49 101.43,35.63 98.9,35.63 98.76,35.77 98.76,36.67 98.63,36.8 98.35,36.8 98.21,36.67 98.21,35.47 98.08,35.33 97.75,35.33 97.62,35.47 97.62,36.68 97.48,36.82 97.21,36.82 97.07,36.68 97.07,35.21 96.91,35.05 96.66,35.05 96.52,35.19 96.52,36.68 96.38,36.82 96.1,36.82 95.96,36.68 95.96,35.69 95.63,35.36 95.63,34.92 95.54,34.83 93.66,34.83 93.49,34.66 v1(93.49,34.43)
CHA_FPGA_DDR4_C1_D16: length 38.4
  TOP w0.201: U1.AK22 v1(120.11,50.45) ; U4.G2 v1(99.99,32.03)
  ART10 w0.137: v1(99.99,32.03) 100.39,32.43 100.39,40.95 100.68,41.65 104.73,45.7 105.39,45.97 113.28,45.97 113.61,46.3 113.61,50.7 113.84,50.93 114.3,50.93 115.32,51.94 119.38,51.94 119.63,51.69 119.63,50.93 v1(120.11,50.45)
CHA_FPGA_DDR4_C1_D17: length 38.4
  TOP w0.201: U4.F7 v1(104.79,32.83) ; U1.AL20 v1(118.11,49.45)
  ART10 w0.137: v1(118.11,49.45) 117.64,48.99 116.8,48.99 116.59,48.77 116.59,46 113.94,43.36 107.05,43.36 106.89,43.2 106.89,42.91 106.73,42.75 106.5,42.75 106.34,42.91 106.34,43.2 106.18,43.36 105.71,43.36 104.29,41.94 104.29,41.57 104.45,41.41 105.33,41.41 105.49,41.25 105.49,41.02 105.33,40.86 104.45,40.86 104.29,40.7 104.29,40.47 104.45,40.31 105.3,40.31 105.46,40.15 105.46,39.92 105.3,39.76 104.45,39.76 104.29,39.6 104.29,39.37 104.45,39.21 105.33,39.21 105.49,39.05 105.49,38.83 105.33,38.66 104.45,38.66 104.29,38.5 104.29,38.28 104.45,38.12 105.2,38.12 105.36,37.95 105.36,37.73 105.2,37.57 104.45,37.57 104.29,37.41 104.29,34.24 104.5,34.03 105.04,34.03 105.19,33.88 105.19,33.46 104.79,33.06 v1(104.79,32.83)
